# Allegro board 8880F5-0823_1_maisha.brd (continued)
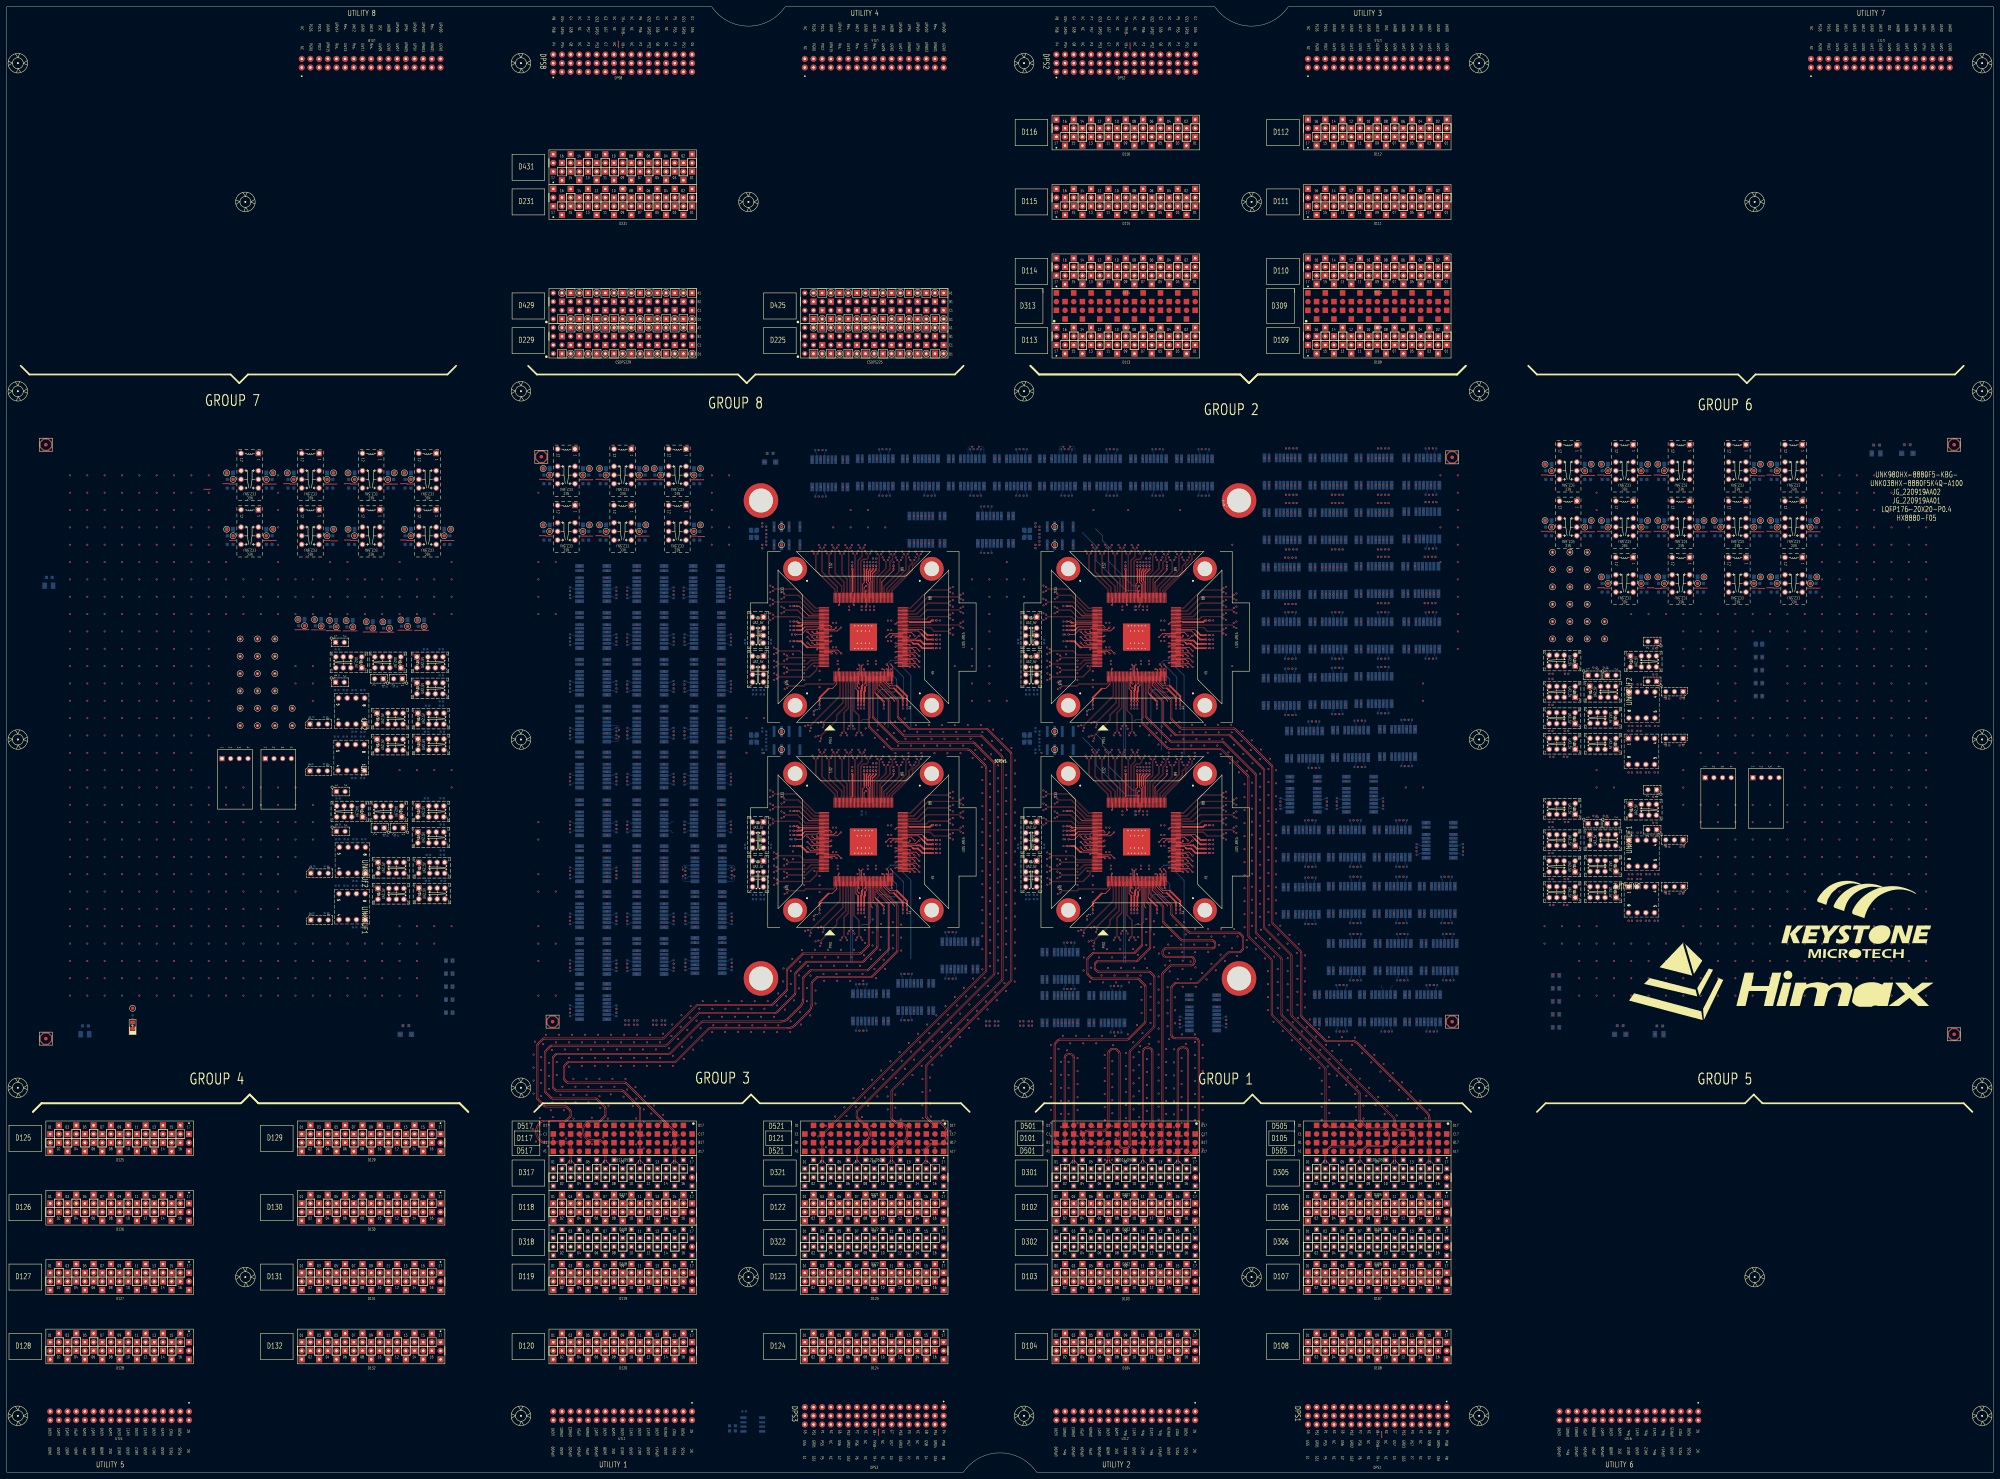
[diagram p0: board, top side]
## Routing (per net, layer and track width the routed paths; a pad name or vN(x,y) marks a point on that pad's centre or on a via; arc(x,y) is an arc through that point) (continued)
v1(272.43,212.85) v1(272.66,296.86) v1(272.66,288.86) v1(272.82,131.3) v1(273.27,124.41) v1(273.7,122.07) v1(273.79,218.85) v1(273.78,128.93) v1(273.95,155.38) v1(273.95,147.38) v1(274.11,98.92) v1(274.24,216.89) v1(274.23,103.15) v1(274.58,214.85) v1(274.59,280.1) v1(274.59,272.1) v1(274.89,136.51) v1(275.33,96.26) v1(275.44,210.63) v1(275.52,133.99) v1(275.82,296.86) v1(275.82,288.86) v1(275.97,127.1) v1(276.24,212.85) v1(276.29,99.95) v1(276.4,155.38) v1(276.4,147.38) v1(276.48,131.63) v1(276.4,124.76) v1(277.56,236.13) v1(277.6,218.85) v1(277.58,139.21) v1(278.05,216.89) v1(278.21,136.69) v1(278.39,214.85) v1(278.6,155.38) v1(278.6,147.38) v1(278.66,129.8) v1(279.17,134.32) v1(279.09,127.46) v1(279.27,296.86) v1(279.27,288.86) v1(279.25,210.63) v1(280.05,212.85) v1(280.28,141.9) v1(280.8,155.38) v1(280.8,147.38) v1(280.9,139.38) v1(281.36,132.49) v1(281.47,288.86) v1(281.41,218.85) v1(281.86,216.89) v1(281.86,137.02) v1(281.79,130.15) v1(282.2,214.85) v1(282.64,261.53) v1(282.64,241.21) v1(282.64,236.13) v1(282.64,231.05) v1(282.64,225.97) v1(282.8,209.22) v1(282.97,144.59) v1(283.67,296.86) v1(283.67,288.86) v1(283.63,211.54) v1(283.6,142.07) v1(284.05,135.19) v1(284.25,155.38) v1(284.25,147.38) v1(284.36,280.1) v1(284.36,272.1) v1(284.48,132.84) v1(284.56,139.71) v1(285.22,218.85) v1(285.51,212.97) v1(285.49,206.53) v1(285.66,216.79) v1(285.67,202.72) v1(285.67,198.91) v1(285.67,195.1) v1(285.67,191.29) v1(285.67,187.48) v1(285.67,183.67) v1(285.67,179.86) v1(285.67,176.05) v1(285.67,172.24) v1(285.67,168.43) v1(285.67,164.62) v1(285.67,160.81) v1(285.67,157) v1(285.67,153.19) v1(285.67,147.29) v1(286.12,288.86) v1(286.32,208.85) v1(286.29,144.77) v1(286.74,137.88) v1(286.81,280.1) v1(286.81,272.1) v1(287.17,135.54) v1(287.25,142.4) v1(287.72,261.53) v1(287.72,256.45) v1(287.72,251.37) v1(287.72,246.29) v1(287.72,241.21) v1(287.72,236.13) v1(287.72,231.05) v1(287.72,225.97) v1(287.89,205.38) v1(287.89,201.57) v1(287.89,197.76) v1(287.89,193.95) v1(287.89,190.14) v1(287.89,186.33) v1(287.89,182.52) v1(287.89,178.71) v1(287.89,174.9) v1(287.89,171.09) v1(287.89,167.28) v1(287.89,163.47) v1(287.89,159.66) v1(287.89,155.85) v1(287.89,152.04) v1(287.89,148.23) v1(288.21,210.27) v1(288.46,214.2) v1(288.81,217.55) v1(289.01,280.1) v1(289.01,272.1) v1(289.29,296.86) v1(289.29,288.86) v1(289.31,130.81) v1(289.44,140.57) v1(289.87,138.23) v1(290.28,207.07) v1(290.28,203.26) v1(290.28,199.45) v1(290.28,195.64) v1(290.28,191.83) v1(290.28,188.02) v1(290.28,184.21) v1(290.28,180.4) v1(290.28,176.59) v1(290.28,172.78) v1(290.28,168.97) v1(290.28,165.16) v1(290.28,161.35) v1(290.28,157.54) v1(290.28,153.73) v1(290.28,149.92) v1(290.28,146.11) v1(291.16,211.51) v1(291.21,280.1) v1(291.21,272.1) v1(291.5,214.86) v1(292.13,143.27) v1(292.56,140.93) v1(292.65,208) v1(292.65,204.19) v1(292.65,200.38) v1(292.65,196.57) v1(292.65,192.76) v1(292.65,188.95) v1(292.65,185.14) v1(292.65,181.33) v1(292.65,177.52) v1(292.65,173.71) v1(292.65,169.9) v1(292.65,166.09) v1(292.65,162.28) v1(292.65,158.47) v1(292.65,154.66) v1(292.65,150.85) v1(292.65,147.04) v1(292.74,296.86) v1(292.74,288.86) v1(292.8,266.61) v1(292.8,261.53) v1(292.8,256.45) v1(292.8,225.97) v1(294.2,212.16) v1(294.66,280.1) v1(294.66,272.1) v1(294.94,296.86) v1(294.94,288.86) v1(295.14,143.73) v1(295.24,208.5) v1(295.24,204.69) v1(295.24,200.88) v1(295.24,197.07) v1(295.24,193.26) v1(295.24,189.45) v1(295.24,185.64) v1(295.24,181.83) v1(295.24,178.02) v1(295.24,174.21) v1(295.24,170.4) v1(295.24,166.59) v1(295.24,162.78) v1(295.24,158.97) v1(295.24,155.16) v1(295.24,151.35) v1(295.24,147.54) v1(297.14,296.86) v1(297.14,288.86) v1(297.88,261.53) v1(297.88,256.45) v1(299.22,130.81) v1(299.59,296.86) v1(299.59,288.86) v1(301.21,277.98) v1(301.21,270.66) v1(302.49,296.86) v1(302.49,288.86) v1(302.96,210.73) v1(303.26,152.34) v1(303.26,144.34) v1(303.26,139.64) v1(303.26,131.64) v1(305.74,125.17) v1(305.74,121.36) v1(305.74,117.55) v1(305.74,113.74) v1(305.74,109.93) v1(305.74,106.12) v1(305.74,102.31) v1(305.74,98.5) v1(305.94,296.86) v1(305.94,288.86) v1(306.71,152.34) v1(306.71,144.34) v1(306.71,139.64) v1(306.71,131.64) v1(307.71,95.24) v1(307.97,123.96) v1(308.14,288.86) v1(308.67,88.9) v1(308.68,120.22) v1(308.68,116.41) v1(308.68,112.6) v1(308.68,108.79) v1(308.68,104.98) v1(308.68,101.17) v1(308.91,152.34) v1(308.91,144.34) v1(308.91,139.64) v1(308.91,131.64) v1(309.24,127.85) v1(309.88,90.11) v1(310.34,296.86) v1(310.34,288.86) v1(310.49,123.57) v1(310.91,120.18) v1(310.91,116.37) v1(310.91,112.56) v1(310.91,108.75) v1(310.91,104.94) v1(310.91,101.13) v1(310.9,97.32) v1(311.11,152.34) v1(311.11,144.34) v1(311.11,139.64) v1(311.11,131.64) v1(311.39,125.63) v1(312.79,288.86) v1(313.05,127.85) v1(313.56,152.34) v1(313.56,144.34) v1(313.56,139.64) v1(313.56,131.64) v1(313.54,121.29) v1(313.54,117.48) v1(313.54,113.67) v1(313.54,109.86) v1(313.54,106.05) v1(313.54,102.24) v1(313.54,98.43) v1(314.62,99.93) v1(314.89,96.13) v1(315.2,125.63) v1(315.28,146.98) v1(315.39,150.79) v1(315.7,296.86) v1(315.7,288.86) v1(316.32,221.9) v1(316.32,161.9) v1(316.86,127.85) v1(316.97,139.64) v1(316.97,131.64) v1(317.19,143.68) v1(317.24,97.46) v1(317.52,147.79) v1(318.2,281.85) v1(318.23,101.16) v1(318.35,153.18) v1(318.59,95.24) v1(319.01,125.63) v1(319.15,296.86) v1(319.15,288.86) v1(319.85,150.8) v1(320.42,139.64) v1(320.42,131.64) v1(320.56,145.49) v1(320.67,127.85) v1(321,143.47) v1(321.05,97.46) v1(321.35,296.86) v1(321.35,288.86) v1(321.49,122.18) v1(321.49,118.37) v1(321.49,114.56) v1(321.49,110.75) v1(321.49,106.94) v1(321.49,103.13) v1(321.55,91.53) v1(321.71,88.11) v1(322.16,153.18) v1(322.45,147.72) v1(322.62,139.64) v1(322.62,131.64) v1(323.55,296.86) v1(323.55,288.86) v1(323.66,150.8) v1(323.58,91.55) v1(323.71,120.39) v1(323.71,116.58) v1(323.71,112.77) v1(323.71,108.96) v1(323.71,105.15) v1(323.71,101.34) v1(323.71,94.74) v1(323.96,125.08) v1(324.25,88.11) v1(324.37,145.49) v1(324.48,127.85) v1(324.73,97.67) v1(324.81,143.47) v1(324.82,139.64) v1(324.82,131.64) v1(325.97,153.18) v1(325.91,94.04) v1(326,296.86) v1(326,288.86) v1(326.26,147.72) v1(326.79,88.11) v1(327.27,139.64) v1(327.27,131.64) v1(327.47,150.8) v1(327.7,122.8) v1(327.7,118.99) v1(327.7,115.18) v1(327.7,111.37) v1(327.7,107.56) v1(327.7,103.75) v1(327.7,99.94) v1(327.7,96.13) v1(328.18,145.49) v1(328.27,128.27) v1(328.36,281.85) v1(328.62,143.47) v1(328.99,88.9) v1(329.16,296.86) v1(329.16,288.86) v1(329.63,94.87) v1(329.78,153.25) v1(329.86,125.93) v1(329.92,121.53) v1(329.92,117.72) v1(329.92,113.91) v1(329.92,110.1) v1(329.92,106.29) v1(329.92,102.48) v1(329.92,98.67) v1(330.07,147.72) v1(330.63,252.59) v1(330.63,192.59) v1(330.96,130.97) v1(331.21,151.52) v1(331.32,160.55) v1(331.32,156.74) v1(331.6,123.04) v1(331.6,119.23) v1(331.6,115.42) v1(331.6,111.61) v1(331.6,107.8) v1(331.6,103.99) v1(331.6,100.18) v1(331.6,96.37) v1(331.84,218.55) v1(331.88,124.8) v1(331.99,145.49) v1(332.19,142.16) v1(332.29,138.35) v1(332.29,134.54) v1(332.56,128.62) v1(332.61,296.86) v1(332.61,288.86) v1(333.29,150.45) v1(333.68,162.04) v1(333.68,158.23) v1(333.68,154.42) v1(333.83,121.04) v1(333.83,117.23) v1(333.83,113.42) v1(333.83,109.61) v1(333.83,105.8) v1(333.83,101.99) v1(333.83,98.18) v1(333.83,94.37) v1(333.98,219.27) v1(333.88,147.72) v1(334.54,215.86) v1(334.57,127.49) v1(334.52,125.49) v1(334.61,267.66) v1(334.61,207.66) v1(334.81,296.86) v1(334.81,288.86) v1(334.91,143.05) v1(334.91,139.24) v1(334.91,135.43) v1(334.91,131.62) v1(335.9,161.37) v1(335.9,157.56) v1(335.9,153.75) v1(336.67,216.58) v1(337.01,296.86) v1(337.01,288.86) v1(337.23,213.16) v1(337.26,145.19) v1(337.26,141.38) v1(337.26,137.57) v1(337.26,133.76) v1(337.26,129.95) v1(337.26,126.14) v1(337.26,122.33) v1(337.26,118.52) v1(337.26,114.71) v1(337.26,110.9) v1(337.26,107.09) v1(337.26,103.28) v1(337.26,99.47) v1(337.26,95.66) v1(337.34,151.93) v1(337.99,246.67) v1(337.99,186.67) v1(338.16,218.48) v1(338.35,159.75) v1(338.33,93.67) v1(339.18,148.48) v1(339.37,213.89) v1(339.46,296.86) v1(339.46,288.86) v1(339.49,123.97) v1(339.49,120.16) v1(339.49,116.35) v1(339.49,112.54) v1(339.49,108.73) v1(339.49,104.92) v1(339.49,101.11) v1(339.49,97.3) v1(339.9,142.06) v1(339.89,138.25) v1(339.89,134.44) v1(339.89,130.63) v1(340.09,154.57) v1(340.22,210.8) v1(340.38,152.07) v1(340.38,126.85) v1(340.53,149.84) v1(340.54,146.68) v1(340.64,219.41) v1(340.85,215.78) v1(341.05,157.05) v1(341.77,120.04) v1(341.77,116.23) v1(341.77,112.42) v1(341.77,108.61) v1(341.77,104.8) v1(341.77,100.99) v1(341.77,97.18) v1(341.77,93.37) v1(341.84,123.85) v1(342.12,139.11) v1(342.12,135.3) v1(342.12,131.49) v1(342.49,160.23) v1(342.63,296.86) v1(342.63,288.86) v1(342.87,144.43) v1(343.04,212.86) v1(343.38,219.81) v1(343.43,216.82) v1(343.6,281.85) v1(343.9,154.57) v1(344.03,210.74) v1(344,121.31) v1(344,117.5) v1(344,113.69) v1(344,109.88) v1(344,106.07) v1(344,102.26) v1(344,98.45) v1(344,94.64) v1(344.1,128.23) v1(344.18,152.34) v1(344.34,149.84) v1(344.29,147.36) v1(344.33,142.21) v1(344.53,214.79) v1(344.73,161.14) v1(345.18,157.54) v1(345.28,125.48) v1(346.08,296.86) v1(346.08,288.86) v1(346.27,139.72) v1(346.27,136.27) v1(346.27,134.07) v1(346.27,131.87) v1(346.27,129.42) v1(346.64,149.58) v1(346.68,144.43) v1(346.85,212.86) v1(347.09,218.94) v1(347.24,216.72) v1(347.46,92) v1(347.84,210.74) v1(347.97,159.14) v1(347.91,128.23) v1(347.91,126.01) v1(347.94,122.2) v1(347.94,118.39) v1(347.94,114.58) v1(347.94,110.77) v1(347.94,106.96) v1(347.94,103.15) v1(347.94,99.34) v1(347.94,95.53) v1(347.99,152.34) v1(348.06,147.86) v1(348.14,142.21) v1(348.28,296.86) v1(348.28,288.86) v1(348.34,214.79) v1(348.94,156.92) v1(350.04,146.23) v1(350.16,125.16) v1(350.16,121.35) v1(350.16,117.54) v1(350.16,113.73) v1(350.16,109.92) v1(350.16,106.11) v1(350.16,102.3) v1(350.16,98.49) v1(350.16,94.68) v1(350.48,296.86) v1(350.48,288.86) v1(350.66,212.86) v1(350.9,218.94) v1(351.05,216.72) v1(351.3,144.34) v1(351.65,210.74) v1(351.78,159.14) v1(351.8,152.34) v1(352.15,214.79) v1(352.75,156.92) v1(352.74,148.92) v1(352.93,296.86) v1(352.93,288.86) v1(353.99,147.04) v1(354.27,139.72) v1(354.27,136.27) v1(354.27,134.07) v1(354.27,131.87) v1(354.27,129.42) v1(354.47,212.86) v1(354.71,218.94) v1(354.86,216.72) v1(354.97,154.45) v1(355.44,210.38) v1(355.43,151.62) v1(355.59,159.14) v1(355.96,214.79) v1(356.56,156.92) v1(356.69,149.73) v1(357.71,210.86) v1(358.14,207.69) v1(358.52,218.94) v1(358.67,216.72) v1(358.77,153.46) v1(358.84,271.69) v1(358.84,236.13) v1(359.36,213.06) v1(359.4,159.14) v1(360.19,151.23) v1(360.37,156.92) v1(360.4,208.16) v1(360.83,204.99) v1(361.56,214.23) v1(361.85,217.08) v1(362.05,210.37) v1(362.45,201.55) v1(362.45,197.74) v1(362.45,193.93) v1(362.45,190.12) v1(362.45,186.31) v1(362.45,182.5) v1(362.45,178.69) v1(362.45,174.88) v1(362.45,171.07) v1(362.45,167.26) v1(362.45,163.45) v1(362.45,159.64) v1(363.07,155.88) v1(363.07,153.73) v1(363.09,205.47) v1(364.25,211.54) v1(364.54,214.39) v1(364.65,201.99) v1(364.65,198.18) v1(364.65,194.37) v1(364.65,190.56) v1(364.65,186.75) v1(364.65,182.94) v1(364.65,179.13) v1(364.65,175.32) v1(364.65,171.51) v1(364.65,167.7) v1(364.65,163.89) v1(364.65,160.08) v1(364.75,207.68) v1(365.74,156.43) v1(365.76,153.18) v1(366.94,208.84) v1(367.01,204.61) v1(367.01,200.8) v1(367.01,196.99) v1(367.01,193.18) v1(367.01,189.37) v1(367.01,185.56) v1(367.01,181.75) v1(367.01,177.94) v1(367.01,174.13) v1(367.01,170.32) v1(367.01,166.51) v1(367.01,162.7) v1(367.24,211.7) v1(367.26,158.9) v1(368.03,265.11) v1(368.03,257.11) v1(368.03,249.11) v1(368.03,241.11) v1(368.03,232.6) v1(368.03,224.6) v1(368.28,297.12) v1(368.28,289.12) v1(368.28,281.11) v1(368.28,273.11) v1(368.44,153.74) v1(368.46,150.49) v1(369.31,146.77) v1(369.31,142.96) v1(369.31,139.15) v1(369.31,135.34) v1(369.44,205.97) v1(369.44,202.16) v1(369.44,198.35) v1(369.44,194.54) v1(369.44,190.73) v1(369.44,186.92) v1(369.44,183.11) v1(369.44,179.3) v1(369.44,175.49) v1(369.44,171.68) v1(369.44,167.87) v1(369.44,164.06) v1(369.68,160.25) v1(369.93,209) v1(369.93,156.18) v1(370.92,131.89) v1(371.13,151.04) v1(371.48,265.11) v1(371.48,257.11) v1(371.48,249.11) v1(371.48,241.11) v1(371.48,232.6) v1(371.48,224.6) v1(371.67,205.61) v1(371.67,201.8) v1(371.67,197.99) v1(371.67,194.18) v1(371.67,190.37) v1(371.67,186.56) v1(371.67,182.75) v1(371.67,178.94) v1(371.67,175.13) v1(371.67,171.32) v1(371.67,167.51) v1(371.67,163.7) v1(371.73,297.12) v1(371.73,289.12) v1(371.73,281.11) v1(371.73,273.11) v1(372.15,147.37) v1(372.15,143.56) v1(372.15,139.75) v1(372.15,135.94) v1(372.34,157.52) v1(372.62,153.48) v1(372.91,160.1) v1(373.32,132.32) v1(373.68,265.11) v1(373.68,257.11) v1(373.68,249.11) v1(373.68,241.11) v1(373.68,232.6) v1(373.68,224.6) v1(373.61,129.2) v1(373.87,188.15) v1(373.87,180.15) v1(373.87,171.39) v1(373.87,163.39) v1(373.93,297.12) v1(373.93,289.12) v1(373.93,281.11) v1(373.93,273.11) v1(374.88,217.11) v1(374.88,209.11) v1(375.03,154.83) v1(375.07,150.56) v1(375.07,146.75) v1(375.07,142.94) v1(375.07,139.13) v1(375.07,135.32) v1(375.6,157.41) v1(375.73,203.73) v1(375.73,200.28) v1(375.73,198.08) v1(375.73,195.88) v1(375.73,193.43) v1(375.88,265.11) v1(375.88,257.11) v1(375.88,249.11) v1(375.88,241.11) v1(375.88,232.6) v1(375.88,224.6) v1(376.02,129.62) v1(376.13,297.12) v1(376.13,289.12) v1(376.13,281.11) v1(376.13,273.11) v1(376.31,126.5) v1(376.54,131.81) v1(377.32,188.15) v1(377.32,180.15) v1(377.32,171.39) v1(377.32,163.39) v1(377.73,152.14) v1(377.93,148.33) v1(377.93,144.52) v1(377.93,140.71) v1(377.93,136.9) v1(378.07,133.09) v1(378.33,265.11) v1(378.33,257.11) v1(378.33,249.11) v1(378.33,241.11) v1(378.33,232.6) v1(378.33,224.6) v1(378.33,217.11) v1(378.33,209.11) v1(378.3,154.71) v1(378.58,297.12) v1(378.58,289.12) v1(378.58,281.11) v1(378.58,273.11) v1(378.71,126.93) v1(379,123.81) v1(379.23,129.11) v1(379.52,188.15) v1(379.52,180.15) v1(379.52,171.39) v1(379.52,163.39) v1(380.16,151.39) v1(380.16,147.58) v1(380.16,143.77) v1(380.16,139.96) v1(380.16,136.15) v1(380.53,217.11) v1(380.53,209.11) v1(380.69,130.32) v1(381.4,124.24) v1(381.55,132.6) v1(381.74,297.12) v1(381.74,289.12) v1(381.74,281.11) v1(381.74,273.11) v1(381.74,265.11) v1(381.74,257.11) v1(381.74,249.11) v1(381.74,241.11) v1(381.74,232.85) v1(381.74,224.85) v1(381.72,188.15) v1(381.72,180.15) v1(381.72,171.39) v1(381.72,163.39) v1(381.69,121.11) v1(381.93,126.42) v1(382.73,217.11) v1(382.73,209.11) v1(383.01,139.89) v1(383.01,131.89) v1(383.38,127.63) v1(383.73,203.73) v1(383.73,200.28) v1(383.73,198.08) v1(383.73,195.88) v1(383.73,193.43) v1(384.17,188.15) v1(384.17,180.15) v1(384.17,171.39) v1(384.17,163.39) v1(384.1,121.54) v1(384.25,129.91) v1(384.39,118.42) v1(384.62,123.73) v1(385.03,114.67) v1(385.03,110.86) v1(385.03,107.05) v1(385.03,103.24) v1(385.19,297.12) v1(385.19,289.12) v1(385.19,281.11) v1(385.19,273.11) v1(385.19,265.11) v1(385.19,257.11) v1(385.19,249.11) v1(385.19,241.11) v1(385.19,232.85) v1(385.19,224.85) v1(385.18,217.11) v1(385.18,209.11) v1(386.32,125.21) v1(386.46,139.89) v1(386.46,131.89) v1(386.79,118.85) v1(387.08,188.15) v1(387.08,180.15) v1(387.08,171.64) v1(387.08,163.64) v1(387.08,154.88) v1(387.08,146.88) v1(387.14,127.42) v1(387.26,116.61) v1(387.26,112.8) v1(387.26,108.99) v1(387.26,105.18) v1(387.32,121.03) v1(387.39,297.12) v1(387.39,289.12) v1(387.39,281.11) v1(387.39,273.11) v1(387.39,265.11) v1(387.39,257.11) v1(387.39,249.11) v1(387.39,241.11) v1(387.39,232.85) v1(387.39,224.85) v1(388.11,123.38) v1(388.35,217.36) v1(388.35,209.36) v1(388.66,139.89) v1(388.66,131.89) v1(389.49,116.15) v1(389.59,297.12) v1(389.59,289.12) v1(389.59,281.11) v1(389.59,273.11) v1(389.59,265.11) v1(389.59,257.11) v1(389.59,249.11) v1(389.59,241.11) v1(389.59,232.85) v1(389.59,224.85) v1(390.01,118.34) v1(390.13,125.2) v1(390.53,188.15) v1(390.53,180.15) v1(390.53,171.64) v1(390.53,163.64) v1(390.53,154.88) v1(390.53,146.88) v1(390.86,139.89) v1(390.86,131.89) v1(390.81,120.69) v1(390.95,127.42) v1(391.8,217.36) v1(391.8,209.36) v1(392.04,297.12) v1(392.04,289.12) v1(392.04,281.11) v1(392.04,273.11) v1(392.04,265.11) v1(392.04,257.11) v1(392.04,249.11) v1(392.04,241.11) v1(392.04,232.85) v1(392.04,224.85) v1(392.24,203.73) v1(392.24,200.28) v1(392.24,198.08) v1(392.24,195.88) v1(392.24,193.43) v1(392.18,113.46) v1(392.73,188.15) v1(392.73,180.15) v1(392.73,171.64) v1(392.73,163.64) v1(392.73,154.88) v1(392.73,146.88) v1(392.7,115.64) v1(393.31,139.89) v1(393.31,131.89) v1(393.5,117.99) v1(393.94,125.2) v1(394,217.36) v1(394,209.36) v1(394.76,127.32) v1(394.87,110.77) v1(394.93,188.15) v1(394.93,180.15) v1(394.93,171.64) v1(394.93,163.64) v1(394.93,154.88) v1(394.93,146.88) v1(395.03,106.96) v1(395.04,103.15) v1(395.2,297.12) v1(395.2,289.12) v1(395.2,281.11) v1(395.2,273.11) v1(395.2,265.37) v1(395.2,257.37) v1(395.2,249.11) v1(395.2,241.11) v1(395.2,233.11) v1(395.2,225.11) v1(395.4,112.95) v1(396.2,217.36) v1(396.2,209.36) v1(396.22,139.89) v1(396.22,131.89) v1(396.19,115.3) v1(396.85,122.74) v1(397.25,107.4) v1(397.25,103.59) v1(397.38,188.15) v1(397.38,180.15) v1(397.38,171.64) v1(397.38,163.64) v1(397.38,154.88) v1(397.38,146.88) v1(397.76,124.98) v1(398.09,110.26) v1(398.65,297.12) v1(398.65,289.12) v1(398.65,281.11) v1(398.65,273.11) v1(398.65,265.37) v1(398.65,257.37) v1(398.65,249.11) v1(398.65,241.11) v1(398.65,233.11) v1(398.65,225.11) v1(398.65,217.36) v1(398.65,209.36) v1(398.89,112.6) v1(399.55,120.04) v1(399.67,139.89) v1(399.67,131.89) v1(400.24,203.73) v1(400.24,200.28) v1(400.24,198.08) v1(400.24,195.88) v1(400.24,193.43) v1(400.46,122.28) v1(400.54,188.15) v1(400.54,180.15) v1(400.54,171.64) v1(400.54,163.64) v1(400.85,297.12) v1(400.85,289.12) v1(400.85,281.11) v1(400.85,273.11) v1(400.85,265.37) v1(400.85,257.37) v1(400.85,249.11) v1(400.85,241.11) v1(400.85,233.11) v1(400.85,225.11) v1(400.79,154.88) v1(400.79,146.88) v1(400.79,107.56) v1(401.58,109.91) v1(401.87,139.89) v1(401.87,131.89) v1(402.06,217.61) v1(402.06,209.61) v1(402.24,117.35) v1(402.65,88.9) v1(403.05,297.12) v1(403.05,289.12) v1(403.05,281.11) v1(403.05,273.11) v1(403.05,265.37) v1(403.05,257.37) v1(403.05,249.11) v1(403.05,241.11) v1(403.05,233.11) v1(403.05,225.11) v1(403.15,119.59) v1(403.48,104.87) v1(403.99,188.15) v1(403.99,180.15) v1(403.99,171.64) v1(403.99,163.64) v1(404.07,139.89) v1(404.07,131.89) v1(404.24,154.88) v1(404.24,146.88) v1(404.28,107.22) v1(404.93,114.66) v1(405.5,297.12) v1(405.5,289.12) v1(405.5,281.11) v1(405.5,273.11) v1(405.5,265.37) v1(405.5,257.37) v1(405.5,249.11) v1(405.5,241.11) v1(405.5,233.11) v1(405.5,225.11) v1(405.51,217.61) v1(405.51,209.61) v1(405.84,116.89) v1(406.19,188.15) v1(406.19,180.15) v1(406.19,171.64) v1(406.19,163.64) v1(406.44,154.88) v1(406.44,146.88) v1(406.52,139.89) v1(406.52,131.89) v1(406.97,104.52) v1(407.63,111.96) v1(407.71,217.61) v1(407.71,209.61) v1(408.39,188.15) v1(408.39,180.15) v1(408.39,171.64) v1(408.39,163.64) v1(408.54,114.2) v1(408.64,154.88) v1(408.64,146.88) v1(408.92,265.37) v1(408.92,257.37) v1(409.17,297.12) v1(409.17,289.12) v1(409.17,281.37) v1(409.17,273.37) v1(409.17,249.11) v1(409.17,241.11) v1(409.43,139.89) v1(409.43,131.89) v1(409.64,200.57) v1(409.91,217.61) v1(409.91,209.61) v1(410.32,109.27) v1(410.84,188.15) v1(410.84,180.15) v1(410.84,171.64) v1(410.84,163.64) v1(411.09,154.88) v1(411.09,146.88) v1(411.23,111.5) v1(412.37,265.37) v1(412.37,257.37) v1(412.36,217.61) v1(412.36,209.61) v1(412.62,297.12) v1(412.62,289.12) v1(412.62,281.37) v1(412.62,273.37) v1(412.62,249.11) v1(412.62,241.11) v1(412.88,139.89) v1(412.88,131.89) v1(413.02,106.57) v1(413.75,171.64) v1(413.75,163.64) v1(413.93,108.81) v1(414.02,90.11) v1(414.25,154.88) v1(414.25,146.88) v1(414.57,265.37) v1(414.57,257.37) v1(414.72,231.05) v1(414.72,225.97) v1(414.72,200.57) v1(414.82,297.12) v1(414.82,289.12) v1(414.82,281.37) v1(414.82,273.37) v1(414.82,249.11) v1(414.82,241.11) v1(415.08,139.89) v1(415.08,131.89) v1(415.44,103.64) v1(415.61,190.27) v1(415.61,186.82) v1(415.61,184.62) v1(415.61,182.42) v1(415.61,179.97) v1(416.62,106.12) v1(416.77,257.37) v1(417.02,297.12) v1(417.02,289.12) v1(417.02,249.11) v1(417.02,241.11) v1(417.2,171.64) v1(417.2,163.64) v1(417.28,139.89) v1(417.28,131.89) v1(417.7,154.88) v1(417.7,146.88) v1(419.22,257.37) v1(419.47,297.12) v1(419.47,289.12) v1(419.47,249.11) v1(419.47,241.11) v1(419.4,171.64) v1(419.4,163.64) v1(419.73,139.89) v1(419.73,131.89) v1(419.8,292.01) v1(419.8,276.77) v1(419.8,266.61) v1(419.9,154.88) v1(419.9,146.88) v1(421.6,171.64) v1(421.6,163.64) v1(422.1,154.88) v1(422.1,146.88) v1(423.61,190.27) v1(423.61,186.82) v1(423.61,184.62) v1(423.61,182.42) v1(423.61,179.97) v1(424.05,171.64) v1(424.05,163.64) v1(424.55,154.88) v1(424.55,146.88) v1(424.88,292.01) v1(424.88,286.93) v1(424.88,281.85) v1(424.88,276.77) v1(424.88,271.69) v1(424.88,266.61) v1(424.88,261.53) v1(424.88,256.45) v1(424.88,251.37) v1(424.88,246.29) v1(424.88,241.21) v1(450.28,159.93) v1(450.28,154.85) v1(452.68,233.88) v1(452.68,190.45) v1(452.68,145.54) v1(452.68,141.73) v1(454.61,137.92) v1(454.61,134.11) v1(454.61,130.3) v1(455.36,159.93) v1(455.36,154.85) v1(460.44,159.93) v1(460.44,154.85) v1(460.44,149.77) v1(460.44,144.69) v1(460.44,139.61) v1(465.52,286.93) v1(465.52,281.85) v1(465.52,205.65) v1(465.52,200.57) v1(465.52,159.93) v1(465.52,154.85) v1(465.52,149.77) v1(465.52,144.69) v1(465.52,139.61) v1(467.62,235.71) v1(467.62,192.28) v1(470.6,200.57) v1(470.6,154.85) v1(470.6,149.77) v1(470.6,144.69) v1(470.6,139.61) v1(475.68,251.37) v1(475.68,154.85) v1(475.68,149.77) v1(475.68,144.69) v1(475.68,139.61) v1(475.89,204.98) v1(475.89,161.55) v1(475.99,218.59) v1(475.99,175.15) v1(480.76,251.37) v1(480.76,154.85) v1(480.76,149.77) v1(480.76,144.69) v1(480.76,139.61) v1(485.84,251.37) v1(485.84,154.85) v1(485.84,149.77) v1(485.84,144.69) v1(485.84,139.61) v1(486.8,226.62) v1(486.8,212.91) v1(486.8,183.19) v1(486.8,169.47) v1(490.92,251.37) v1(490.92,246.29) v1(490.92,241.21) v1(490.92,236.13) v1(490.92,220.89) v1(490.92,205.65) v1(490.92,200.57) v1(490.92,195.49) v1(490.92,159.93) v1(490.92,154.85) v1(490.92,149.77) v1(490.92,144.69) v1(490.92,139.61) v1(496,251.37) v1(496,246.29) v1(496,241.21) v1(496,236.13) v1(496,220.89) v1(496,210.73) v1(496,195.49) v1(496,190.41) v1(496,180.25) v1(496,175.17) v1(496,165.01) v1(496,159.93) v1(496,154.85) v1(496,149.77) v1(496,144.69) v1(496,139.61) v1(501.08,251.37) v1(501.08,246.29) v1(501.08,241.21) v1(501.08,236.13) v1(501.08,231.05) v1(501.08,225.97) v1(501.08,220.89) v1(501.08,215.81) v1(501.08,210.73) v1(501.08,195.49) v1(501.08,190.41) v1(501.08,185.33) v1(501.08,180.25) v1(501.08,175.17) v1(501.08,170.09) v1(501.08,165.01) v1(501.08,159.93) v1(501.08,154.85) v1(501.08,149.77) v1(501.08,144.69) v1(501.08,139.61) v1(506.16,251.37) v1(506.16,246.29) v1(506.16,241.21) v1(506.16,236.13) v1(506.16,231.05) v1(506.16,225.97) v1(506.16,220.89) v1(506.16,215.81) v1(506.16,210.73) v1(506.16,195.49) v1(506.16,190.41) v1(506.16,185.33) v1(506.16,180.25) v1(506.16,175.17) v1(506.16,170.09) v1(506.16,165.01) v1(506.16,159.93) v1(506.16,154.85) v1(506.16,149.77) v1(506.16,144.69) v1(506.16,139.61) v1(511.24,251.37) v1(511.24,246.29) v1(511.24,220.89) v1(511.24,215.81) v1(511.24,210.73) v1(511.24,195.49) v1(511.24,190.41) v1(511.24,185.33) v1(511.24,180.25) v1(511.24,175.17) v1(511.24,170.09) v1(511.24,165.01) v1(511.24,159.93) v1(511.24,154.85) v1(511.24,149.77) v1(511.24,144.69) v1(511.24,139.61) v1(514.05,238.76) v1(514.05,234.95) v1(514.05,231.14) v1(514.05,227.33) v1(516.32,251.37) v1(516.32,246.29) v1(516.32,220.89) v1(516.32,215.81) v1(516.32,210.73) v1(516.32,195.49) v1(516.32,190.41) v1(516.32,185.33) v1(516.32,180.25) v1(516.32,175.17) v1(516.32,170.09) v1(516.32,165.01) v1(516.32,159.93) v1(516.32,154.85) v1(516.32,149.77) v1(516.32,144.69) v1(516.32,139.61) v1(521.4,251.37) v1(521.4,246.29) v1(521.4,241.21) v1(521.4,236.13) v1(521.4,231.05) v1(521.4,225.97) v1(521.4,220.89) v1(521.4,215.81) v1(521.4,210.73) v1(521.4,195.49) v1(521.4,190.41) v1(521.4,185.33) v1(521.4,180.25) v1(521.4,175.17) v1(521.4,170.09) v1(521.4,165.01) v1(521.4,159.93) v1(521.4,154.85) v1(521.4,149.77) v1(521.4,144.69) v1(521.4,139.61) v1(526.48,251.37) v1(526.48,246.29) v1(526.48,241.21) v1(526.48,236.13) v1(526.48,231.05) v1(526.48,225.97) v1(526.48,220.89) v1(526.48,215.81) v1(526.48,210.73) v1(526.48,205.65) v1(526.48,200.57) v1(526.48,195.49) v1(526.48,190.41) v1(526.48,185.33) v1(526.48,180.25) v1(526.48,175.17) v1(526.48,170.09) v1(526.48,165.01) v1(526.48,159.93) v1(526.48,154.85) v1(526.48,149.77) v1(526.48,144.69) v1(526.48,139.61) v1(531.56,292.01) v1(531.56,286.93) v1(531.56,281.85) v1(531.56,276.77) v1(531.56,271.69) v1(531.56,266.61) v1(531.56,261.53) v1(531.56,256.45) v1(531.56,251.37) v1(531.56,246.29) v1(531.56,241.21) v1(531.56,236.13) v1(531.56,231.05) v1(531.56,225.97) v1(531.56,220.89) v1(531.56,215.81) v1(531.56,210.73) v1(531.56,205.65) v1(531.56,200.57) v1(531.56,195.49) v1(531.56,190.41) v1(531.56,185.33) v1(531.56,180.25) v1(531.56,175.17) v1(531.56,165.01) v1(531.56,159.93) v1(531.56,154.85) v1(531.56,149.77) v1(531.56,144.69) v1(531.56,139.61) v1(536.64,292.01) v1(536.64,286.93) v1(536.64,281.85) v1(536.64,276.77) v1(536.64,271.69) v1(536.64,266.61) v1(536.64,261.53) v1(536.64,256.45) v1(536.64,251.37) v1(536.64,246.29) v1(536.64,241.21) v1(536.64,236.13) v1(536.64,231.05) v1(536.64,225.97) v1(536.64,220.89) v1(536.64,215.81) v1(536.64,210.73) v1(536.64,205.65) v1(536.64,200.57) v1(536.64,195.49) v1(536.64,190.41) v1(536.64,185.33) v1(536.64,180.25) v1(536.64,175.17) v1(536.64,170.09) v1(536.64,159.93) v1(536.64,154.85) v1(536.64,149.77) v1(536.64,144.69) v1(536.64,139.61) v1(541.72,292.01) v1(541.72,286.93) v1(541.72,281.85) v1(541.72,276.77) v1(541.72,271.69) v1(541.72,266.61) v1(541.72,261.53) v1(541.72,256.45) v1(541.72,251.37) v1(541.72,246.29) v1(541.72,241.21) v1(541.72,236.13) v1(541.72,231.05) v1(541.72,225.97) v1(541.72,220.89) v1(541.72,215.81) v1(541.72,210.73) v1(541.72,205.65) v1(541.72,200.57) v1(541.72,195.49) v1(541.72,190.41) v1(541.72,185.33) v1(541.72,180.25) v1(541.72,175.17) v1(541.72,159.93) v1(541.72,154.85) v1(541.72,149.77) v1(541.72,144.69) v1(541.72,139.61) v1(546.8,292.01) v1(546.8,286.93) v1(546.8,281.85) v1(546.8,276.77) v1(546.8,271.69) v1(546.8,266.61) v1(546.8,261.53) v1(546.8,256.45) v1(546.8,251.37) v1(546.8,246.29) v1(546.8,241.21) v1(546.8,236.13) v1(546.8,231.05) v1(546.8,225.97) v1(546.8,220.89) v1(546.8,215.81) v1(546.8,210.73) v1(546.8,205.65) v1(546.8,200.57) v1(546.8,195.49) v1(546.8,190.41) v1(546.8,185.33) v1(546.8,180.25) v1(546.8,175.17) v1(546.8,165.01) v1(546.8,159.93) v1(546.8,154.85) v1(546.8,149.77) v1(546.8,144.69) v1(546.8,139.61) v1(551.88,292.01) v1(551.88,286.93) v1(551.88,281.85) v1(551.88,276.77) v1(551.88,271.69) v1(551.88,266.61) v1(551.88,261.53) v1(551.88,256.45) v1(551.88,251.37) v1(551.88,246.29) v1(551.88,241.21) v1(551.88,236.13) v1(551.88,231.05) v1(551.88,225.97) v1(551.88,220.89) v1(551.88,215.81) v1(551.88,210.73) v1(551.88,205.65) v1(551.88,200.57) v1(551.88,195.49) v1(551.88,190.41) v1(551.88,185.33) v1(551.88,180.25) v1(551.88,175.17) v1(551.88,165.01) v1(551.88,159.93) v1(551.88,154.85) v1(551.88,149.77) v1(551.88,144.69) v1(551.88,139.61) v1(556.96,292.01) v1(556.96,286.93) v1(556.96,281.85) v1(556.96,276.77) v1(556.96,271.69) v1(556.96,266.61) v1(556.96,261.53) v1(556.96,256.45) v1(556.96,251.37) v1(556.96,246.29) v1(556.96,241.21) v1(556.96,236.13) v1(556.96,231.05) v1(556.96,225.97) v1(556.96,220.89) v1(556.96,215.81) v1(556.96,210.73) v1(556.96,205.65) v1(556.96,200.57) v1(556.96,195.49) v1(556.96,190.41) v1(556.96,185.33) v1(556.96,180.25) v1(556.96,175.17) v1(556.96,165.01) v1(556.96,159.93) v1(556.96,154.85) v1(556.96,149.77) v1(556.96,144.69) v1(556.96,139.61) v1(562.04,292.01) v1(562.04,286.93) v1(562.04,281.85) v1(562.04,276.77) v1(562.04,271.69) v1(562.04,266.61) v1(562.04,261.53) v1(562.04,256.45) v1(562.04,251.37) v1(562.04,246.29) v1(562.04,241.21) v1(562.04,236.13) v1(562.04,231.05) v1(562.04,225.97) v1(562.04,220.89) v1(562.04,215.81) v1(562.04,210.73) v1(562.04,205.65) v1(562.04,200.57) v1(562.04,195.49) v1(562.04,190.41) v1(562.04,185.33) v1(562.04,180.25) v1(562.04,175.17) v1(562.04,170.09) v1(562.04,165.01) v1(562.04,159.93) v1(562.04,154.85) v1(562.04,149.77) v1(562.04,144.69) v1(562.04,139.61)
